# KiCad board haptic display 8x8 aisler.kicad_pcb (continued)
## Routing (per net, layer and track width the routed paths; a pad name or vN(x,y) marks a point on that pad's centre or on a via; arc(x,y) is an arc through that point) (continued)
 21.42,81.09 21.27,81.27 21.1,81.43 20.9,81.56 20.69,81.67 20.47,81.75 20.24,81.8 20,81.83 19.76,81.81 19.52,81.77 19.3,81.7 19.08,81.6 18.87,81.47 18.69,81.31 18.52,81.13 18.38,80.93 18.27,80.72 18.19,80.49 18.13,80.25 18.11,80 18.12,79.75 18.17,79.51 18.24,79.27 18.35,79.05 18.48,78.84 18.64,78.64 18.83,78.47 19.04,78.33 19.26,78.21 19.5,78.13 19.75,78.07 20,78.05 20.24,78.06 20.47,78.1 20.7,78.16 20.92,78.26 21.12,78.38 21.31,78.52 21.48,78.68 21.64,78.87 21.76,79.07 21.87,79.29 21.94,79.52 21.99,79.76 22.01,80 22,80.24 21.96,80.48 21.9,80.72 21.8,80.94 21.68,81.16 21.53,81.35 21.36,81.53 21.17,81.69 20.96,81.82 20.73,81.93 20.49,82.01 20.25,82.06 20,82.08 19.75,82.06 19.5,82.02 19.26,81.95 19.03,81.85 18.81,81.73 18.6,81.57 18.42,81.4 18.26,81.2 18.12,80.98 18.01,80.75 17.93,80.51 17.88,80.26 17.86,80 17.87,79.74 17.92,79.49 17.99,79.24 18.09,79 18.22,78.77 18.38,78.56 18.56,78.37 18.76,78.21 18.99,78.07 19.22,77.96 19.48,77.87 19.74,77.82 20,77.8 20.25,77.81 20.49,77.85 20.73,77.91 20.96,78 21.18,78.12 21.39,78.26 21.58,78.42 21.75,78.61 21.9,78.81 22.02,79.03 22.12,79.26 22.2,79.5 22.24,79.75 22.26,80 22.25,80.25 22.21,80.51 22.15,80.75 22.05,80.99 21.93,81.22 21.79,81.43 21.62,81.62 21.43,81.8 21.23,81.95 21,82.08 20.76,82.18 20.52,82.26 20.26,82.31 20,82.33 19.74,82.31 19.48,82.28 19.23,82.21 18.98,82.11 18.75,81.99 18.53,81.84 18.33,81.67 18.15,81.47 18,81.26 17.87,81.03 17.76,80.78 17.68,80.53 17.63,80.27 17.61,80 17.62,79.73 17.66,79.47 17.73,79.21 17.83,78.96 17.96,78.72 18.11,78.49 18.29,78.29 18.49,78.11 18.71,77.94 18.94,77.81 19.2,77.7 19.46,77.62 19.73,77.57 20,77.55 20.26,77.56 20.51,77.6 20.76,77.66 21,77.75 21.24,77.86 21.45,78 21.66,78.16 21.85,78.34 22.01,78.54 22.16,78.75 22.28,78.98 22.38,79.23 22.45,79.48 22.49,79.74 22.51,80 22.5,80.26 22.47,80.52 22.4,80.78 22.31,81.03 22.19,81.27 22.05,81.49 21.89,81.7 21.7,81.89 21.5,82.06 21.28,82.21 21.04,82.34 20.79,82.44 20.53,82.51 20.27,82.56 20,82.58 19.73,82.57 19.46,82.53 19.2,82.46 18.95,82.37 18.7,82.25 18.47,82.1 18.26,81.94 18.06,81.75 17.89,81.54 17.73,81.31 17.61,81.07 17.5,80.81 17.43,80.55 17.38,80.28 17.36,80 17.37,79.72 17.41,79.45 17.48,79.18 17.58,78.92 17.7,78.67 17.85,78.44 18.02,78.22 18.21,78.02 18.43,77.84 18.66,77.68 18.91,77.55 19.17,77.44 19.44,77.37 19.72,77.32 20,77.3 20.27,77.31 20.53,77.34 20.79,77.41 21.04,77.49 21.28,77.6 21.51,77.74 21.73,77.89 21.93,78.07 22.11,78.26 22.28,78.48 22.42,78.71 22.54,78.95 22.63,79.2 22.7,79.46 22.75,79.73 22.76,80 22.75,80.27 22.72,80.54 22.65,80.81 22.57,81.06 22.45,81.31 22.32,81.55 22.16,81.77 21.98,81.98 21.77,82.16 21.56,82.33 21.32,82.47 21.08,82.6 20.82,82.69 20.55,82.76 20.28,82.81 20,82.83 19.72,82.82 19.45,82.78 19.18,82.71 18.91,82.62 18.66,82.51 18.42,82.37 18.19,82.2 17.98,82.02 17.79,81.81 17.62,81.59 17.47,81.35 17.35,81.1 17.25,80.83 17.18,80.56 17.13,80.28 17.11,80 17.12,79.72 17.16,79.44 17.23,79.16 17.32,78.89 17.44,78.63 17.58,78.38 17.75,78.15 17.94,77.94 18.15,77.74 18.37,77.57 18.62,77.42 18.88,77.29 19.15,77.19 19.43,77.11 19.71,77.07 20,77.05 20.27,77.06 20.54,77.09 20.81,77.15 21.07,77.24 21.32,77.34 21.56,77.47 21.79,77.63 22.01,77.8 22.2,77.99 22.38,78.2 22.54,78.43 22.68,78.67 22.8,78.92 22.89,79.18 22.95,79.45 23,79.72 23.01,80 23,80.28 22.97,80.55 22.91,80.83 22.82,81.09 22.71,81.35 22.58,81.6 22.42,81.83 22.25,82.05 22.05,82.25 21.84,82.43 21.61,82.6 21.36,82.74 21.11,82.85 20.84,82.95 20.56,83.02 20.28,83.06 20,83.08 19.72,83.07 19.43,83.03 19.16,82.97 18.88,82.88 18.62,82.77 18.37,82.63 18.13,82.47 17.91,82.29 17.7,82.09 17.52,81.88 17.35,81.64 17.21,81.39 17.09,81.13 16.99,80.86 16.92,80.58 16.88,80.29 16.86,80 16.87,79.71 16.91,79.42 16.97,79.14 17.06,78.86 17.17,78.59 17.31,78.34 17.48,78.09 17.66,77.87 17.86,77.66 18.09,77.47 18.33,77.3 18.58,77.15 18.85,77.03 19.13,76.93 19.41,76.86 19.71,76.82 20,76.8 20.28,76.81 20.56,76.84 20.83,76.9 21.1,76.98 21.36,77.08 21.61,77.21 21.85,77.36 22.07,77.53 22.28,77.72 22.48,77.92 22.65,78.14 22.81,78.38 22.94,78.63 23.05,78.89 23.14,79.16 23.21,79.43 23.25,79.72 23.26,80 23.25,80.28 23.22,80.57 23.16,80.85 23.08,81.12 22.97,81.39 22.84,81.64 22.69,81.89 22.52,82.11 22.33,82.33 22.12,82.53 21.89,82.7 21.65,82.86 21.4,83 21.13,83.11 20.86,83.2 20.58,83.27 20.29,83.31 20,83.33 19.71,83.32 19.42,83.28 19.14,83.22 18.86,83.14 18.59,83.03 18.33,82.9 18.08,82.74 17.84,82.57 17.63,82.37 17.43,82.16 17.25,81.93 17.08,81.68 16.95,81.42 16.83,81.15 16.74,80.87 16.67,80.59 16.63,80.29 16.61,80 16.62,79.7 16.66,79.41 16.72,79.12 16.8,78.84 16.91,78.56 17.05,78.3 17.21,78.04 17.38,77.8 17.58,77.58 17.8,77.38 18.04,77.19 18.29,77.03 18.55,76.89 18.82,76.77 19.11,76.68 19.4,76.61 19.7,76.57 20,76.55 20.29,76.56 20.57,76.59 20.85,76.65 21.12,76.72 21.39,76.83 21.65,76.95 21.9,77.09 22.14,77.26 22.36,77.44 22.56,77.64 22.75,77.86 22.92,78.09 23.07,78.34 23.2,78.6 23.31,78.86 23.4,79.14 23.46,79.42 23.5,79.71 23.51,80 23.5,80.29 23.47,80.58 23.41,80.86 23.33,81.14 23.23,81.42 23.11,81.68 22.96,81.93 22.79,82.17 22.61,82.4 22.4,82.61 22.18,82.8 21.94,82.97 21.69,83.13 21.43,83.26 21.16,83.37 20.88,83.46 20.59,83.52 20.29,83.56 20,83.58 19.7,83.57 19.41,83.53 19.12,83.48 18.83,83.39 18.56,83.29 18.29,83.16 18.03,83.01 17.79,82.84 17.56,82.65 17.35,82.44 17.15,82.22 16.97,81.98 16.82,81.72 16.68,81.45 16.57,81.18 16.48,80.89 16.42,80.6 16.38,80.3 16.36,80 16.37,79.7 16.41,79.4 16.46,79.1 16.55,78.81 16.65,78.53 16.78,78.26 16.94,78 17.11,77.75 17.3,77.52 17.51,77.3 17.74,77.1 17.99,76.92 18.25,76.76 18.52,76.63 18.8,76.51 19.09,76.42 19.39,76.36 19.69,76.32 20,76.3 20.29,76.31 20.58,76.34 20.87,76.39 21.15,76.47 21.42,76.57 21.69,76.69 21.94,76.83 22.19,76.99 22.42,77.17 22.64,77.36 22.84,77.57 23.02,77.8 23.19,78.05 23.34,78.3 23.46,78.57 23.57,78.84 23.65,79.12 23.71,79.41 23.75,79.71 23.76,80 23.75,80.3 23.72,80.59 23.67,80.88 23.59,81.17 23.49,81.45 23.37,81.72 23.23,81.98 23.06,82.23 22.88,82.46 22.68,82.68 22.47,82.89 22.23,83.07 21.99,83.24 21.73,83.39 21.46,83.52 21.18,83.63 20.89,83.71 20.6,83.77 20.3,83.81 20,83.83 19.7,83.82 19.4,83.78 19.1,83.73 18.81,83.65 18.53,83.55 18.25,83.42 17.99,83.28 17.74,83.11 17.5,82.93 17.27,82.73 17.07,82.51 16.88,82.27 16.7,82.02 16.55,81.76 16.42,81.48 16.31,81.2 16.23,80.91 16.17,80.61 16.13,80.3 16.11,80 16.12,79.69 16.15,79.39 16.21,79.09 16.29,78.79 16.39,78.51 16.52,78.23 16.67,77.96 16.83,77.7 17.02,77.46 17.23,77.23 17.45,77.02 17.69,76.82 17.95,76.65 18.22,76.5 18.49,76.37 18.78,76.26 19.08,76.17 19.38,76.1 19.69,76.07 20,76.05 20.3,76.06 20.59,76.09 20.88,76.14 21.17,76.21 21.45,76.31 21.72,76.43 21.99,76.56 22.24,76.72 22.48,76.89 22.71,77.08 22.92,77.29 23.12,77.51 23.3,77.75 23.46,78 23.6,78.27 23.72,78.54 23.82,78.82 23.9,79.11 23.96,79.4 24,79.7 24.01,80 24,80.3 23.97,80.6 23.92,80.89 23.85,81.19 23.75,81.47 23.63,81.75 23.49,82.02 23.33,82.27 23.16,82.52 22.96,82.75 22.75,82.97 22.52,83.17 22.28,83.35 22.03,83.51 21.76,83.66 21.48,83.78 21.2,83.88 20.9,83.96 20.61,84.02 20.3,84.06 20,84.08 19.7,84.07 19.39,84.04 19.09,83.98 18.8,83.91 18.51,83.81 18.22,83.69 17.95,83.55 17.69,83.39 17.44,83.21 17.21,83.01 16.99,82.79 16.79,82.56 16.6,82.32 16.43,82.06 16.29,81.79 16.16,81.51 16.06,81.22 15.97,80.92 15.91,80.62 15.88,80.31 15.86,80 15.87,79.69 15.9,79.38 15.96,79.08 16.03,78.78 16.13,78.48 16.26,78.2 16.4,77.92 16.56,77.66 16.74,77.4 16.95,77.17 17.16,76.94 17.4,76.74 17.65,76.55 17.91,76.38 18.19,76.23 18.47,76.1 18.77,76 19.07,75.91 19.37,75.85 19.69,75.81 20,75.8 20.3,75.81 20.6,75.84 20.89,75.89 21.19,75.96 21.47,76.05 21.75,76.16 22.02,76.3 22.28,76.45 22.53,76.62 22.77,76.8 22.99,77.01 23.2,77.23 23.39,77.46 23.57,77.71 23.72,77.97 23.86,78.24 23.98,78.52 24.08,78.8 24.16,79.1 24.21,79.39 24.25,79.7 24.26,80 24.25,80.3 24.22,80.61 24.17,80.91 24.1,81.2 24.01,81.49 23.89,81.78 23.76,82.05 23.6,82.32 23.43,82.57 23.24,82.81 23.04,83.04 22.81,83.25 22.58,83.44 22.33,83.62 22.06,83.78 21.79,83.92 21.51,84.04 21.22,84.14 20.92,84.22 20.61,84.28 20.31,84.31 20,84.33 19.69,84.32 19.38,84.29 19.08,84.23 18.78,84.16 18.48,84.07 18.2,83.95 17.92,83.81 17.65,83.66 17.39,83.48 17.15,83.29 16.92,83.08 16.71,82.85 16.51,82.61 16.33,82.36 16.17,82.09 16.02,81.82 15.9,81.53 15.8,81.23 15.72,80.93 15.66,80.62 15.63,80.31 15.61,80 15.62,79.69 15.65,79.37 15.7,79.07 15.78,78.76 15.88,78.46 15.99,78.17 16.13,77.89 16.29,77.62 16.47,77.36 16.66,77.11 16.88,76.88 17.1,76.66 17.35,76.46 17.61,76.28 17.88,76.11 18.16,75.97 18.45,75.84 18.75,75.74 19.06,75.66 19.37,75.6 19.68,75.56 20,75.55 21.45,75.55 ; 20.41,63.98 20.36,63.96 20,63.6 20,63.55 20.21,63.56 20.41,63.6 20.61,63.67 20.8,63.76 20.97,63.88 21.12,64.03 21.25,64.19 21.36,64.38 21.44,64.58 21.49,64.79 21.51,65 21.5,65.22 21.46,65.43 21.39,65.64 21.29,65.83 21.16,66.01 21.01,66.17 20.84,66.31 20.65,66.42 20.44,66.5 20.22,66.55 20,66.58 19.78,66.56 19.55,66.52 19.34,66.45 19.14,66.34 18.95,66.21 18.78,66.05 18.64,65.87 18.53,65.67 18.44,65.46 18.38,65.23 18.36,65 18.37,64.77 18.42,64.54 18.49,64.31 18.6,64.1 18.74,63.91 18.91,63.74 19.09,63.59 19.3,63.47 19.52,63.38 19.76,63.32 20,63.3 20.22,63.31 20.44,63.35 20.66,63.41 20.86,63.51 21.05,63.63 21.22,63.78 21.38,63.94 21.51,64.13 21.61,64.33 21.69,64.55 21.74,64.77 21.76,65 21.75,65.23 21.71,65.46 21.64,65.68 21.54,65.89 21.42,66.09 21.27,66.27 21.1,66.43 20.9,66.56 20.69,66.67 20.47,66.75 20.24,66.8 20,66.83 19.76,66.81 19.52,66.77 19.3,66.7 19.08,66.6 18.87,66.47 18.69,66.31 18.52,66.13 18.38,65.93 18.27,65.72 18.19,65.49 18.13,65.25 18.11,65 18.12,64.75 18.17,64.51 18.24,64.27 18.35,64.05 18.48,63.84 18.64,63.64 18.83,63.47 19.04,63.33 19.26,63.21 19.5,63.13 19.75,63.07 20,63.05 20.24,63.06 20.47,63.1 20.7,63.16 20.92,63.26 21.12,63.38 21.31,63.52 21.48,63.68 21.64,63.87 21.76,64.07 21.87,64.29 21.94,64.52 21.99,64.76 22.01,65 22,65.24 21.96,65.48 21.9,65.72 21.8,65.94 21.68,66.16 21.53,66.35 21.36,66.53 21.17,66.69 20.96,66.82 20.73,66.93 20.49,67.01 20.25,67.06 20,67.08 19.75,67.06 19.5,67.02 19.26,66.95 19.03,66.85 18.81,66.73 18.6,66.57 18.42,66.4 18.26,66.2 18.12,65.98 18.01,65.75 17.93,65.51 17.88,65.26 17.86,65 17.87,64.74 17.92,64.49 17.99,64.24 18.09,64 18.22,63.77 18.38,63.56 18.56,63.37 18.76,63.21 18.99,63.07 19.22,62.96 19.48,62.87 19.74,62.82 20,62.8 20.25,62.81 20.49,62.85 20.73,62.91 20.96,63 21.18,63.12 21.39,63.26 21.58,63.42 21.75,63.61 21.9,63.81 22.02,64.03 22.12,64.26 22.2,64.5 22.24,64.75 22.26,65 22.25,65.25 22.21,65.51 22.15,65.75 22.05,65.99 21.93,66.22 21.79,66.43 21.62,66.62 21.43,66.8 21.23,66.95 21,67.08 20.76,67.18 20.52,67.26 20.26,67.31 20,67.33 19.74,67.31 19.48,67.28 19.23,67.21 18.98,67.11 18.75,66.99 18.53,66.84 18.33,66.67 18.15,66.47 18,66.26 17.87,66.03 17.76,65.78 17.68,65.53 17.63,65.27 17.61,65 17.62,64.73 17.66,64.47 17.73,64.21 17.83,63.96 17.96,63.72 18.11,63.49 18.29,63.29 18.49,63.11 18.71,62.94 18.94,62.81 19.2,62.7 19.46,62.62 19.73,62.57 20,62.55 20.26,62.56 20.51,62.6 20.76,62.66 21,62.75 21.24,62.86 21.45,63 21.66,63.16 21.85,63.34 22.01,63.54 22.16,63.75 22.28,63.98 22.38,64.23 22.45,64.48 22.49,64.74 22.51,65 22.5,65.26 22.47,65.52 22.4,65.78 22.31,66.03 22.19,66.27 22.05,66.49 21.89,66.7 21.7,66.89 21.5,67.06 21.28,67.21 21.04,67.34 20.79,67.44 20.53,67.51 20.27,67.56 20,67.58 19.73,67.57 19.46,67.53 19.2,67.46 18.95,67.37 18.7,67.25 18.47,67.1 18.26,66.94 18.06,66.75 17.89,66.54 17.73,66.31 17.61,66.07 17.5,65.81 17.43,65.55 17.38,65.28 17.36,65 17.37,64.72 17.41,64.45 17.48,64.18 17.58,63.92 17.7,63.67 17.85,63.44 18.02,63.22 18.21,63.02 18.43,62.84 18.66,62.68 18.91,62.55 19.17,62.44 19.44,62.37 19.72,62.32 20,62.3 20.27,62.31 20.53,62.34 20.79,62.41 21.04,62.49 21.28,62.6 21.51,62.74 21.73,62.89 21.93,63.07 22.11,63.26 22.28,63.48 22.42,63.71 22.54,63.95 22.63,64.2 22.7,64.46 22.75,64.73 22.76,65 22.75,65.27 22.72,65.54 22.65,65.81 22.57,66.06 22.45,66.31 22.32,66.55 22.16,66.77 21.98,66.98 21.77,67.16 21.56,67.33 21.32,67.47 21.08,67.6 20.82,67.69 20.55,67.76 20.28,67.81 20,67.83 19.72,67.82 19.45,67.78 19.18,67.71 18.91,67.62 18.66,67.51 18.42,67.37 18.19,67.2 17.98,67.02 17.79,66.81 17.62,66.59 17.47,66.35 17.35,66.1 17.25,65.83 17.18,65.56 17.13,65.28 17.11,65 17.12,64.72 17.16,64.44 17.23,64.16 17.32,63.89 17.44,63.63 17.58,63.38 17.75,63.15 17.94,62.94 18.15,62.74 18.37,62.57 18.62,62.42 18.88,62.29 19.15,62.19 19.43,62.11 19.71,62.07 20,62.05 20.27,62.06 20.54,62.09 20.81,62.15 21.07,62.24 21.32,62.34 21.56,62.47 21.79,62.63 22.01,62.8 22.2,62.99 22.38,63.2 22.54,63.43 22.68,63.67 22.8,63.92 22.89,64.18 22.95,64.45 23,64.72 23.01,65 23,65.28 22.97,65.55 22.91,65.83 22.82,66.09 22.71,66.35 22.58,66.6 22.42,66.83 22.25,67.05 22.05,67.25 21.84,67.43 21.61,67.6 21.36,67.74 21.11,67.85 20.84,67.95 20.56,68.02 20.28,68.06 20,68.08 19.72,68.07 19.43,68.03 19.16,67.97 18.88,67.88 18.62,67.77 18.37,67.63 18.13,67.47 17.91,67.29 17.7,67.09 17.52,66.88 17.35,66.64 17.21,66.39 17.09,66.13 16.99,65.86 16.92,65.58 16.88,65.29 16.86,65 16.87,64.71 16.91,64.42 16.97,64.14 17.06,63.86 17.17,63.59 17.31,63.34 17.48,63.09 17.66,62.87 17.86,62.66 18.09,62.47 18.33,62.3 18.58,62.15 18.85,62.03 19.13,61.93 19.41,61.86 19.71,61.82 20,61.8 20.28,61.81 20.56,61.84 20.83,61.9 21.1,61.98 21.36,62.08 21.61,62.21 21.85,62.36 22.07,62.53 22.28,62.72 22.48,62.92 22.65,63.14 22.81,63.38 22.94,63.63 23.05,63.89 23.14,64.16 23.21,64.43 23.25,64.72 23.26,65 23.25,65.28 23.22,65.57 23.16,65.85 23.08,66.12 22.97,66.39 22.84,66.64 22.69,66.89 22.52,67.11 22.33,67.33 22.12,67.53 21.89,67.7 21.65,67.86 21.4,68 21.13,68.11 20.86,68.2 20.58,68.27 20.29,68.31 20,68.33 19.71,68.32 19.42,68.28 19.14,68.22 18.86,68.14 18.59,68.03 18.33,67.9 18.08,67.74 17.84,67.57 17.63,67.37 17.43,67.16 17.25,66.93 17.08,66.68 16.95,66.42 16.83,66.15 16.74,65.87 16.67,65.59 16.63,65.29 16.61,65 16.62,64.7 16.66,64.41 16.72,64.12 16.8,63.84 16.91,63.56 17.05,63.3 17.21,63.04 17.38,62.8 17.58,62.58 17.8,62.38 18.04,62.19 18.29,62.03 18.55,61.89 18.82,61.77 19.11,61.68 19.4,61.61 19.7,61.57 20,61.55 20.29,61.56 20.57,61.59 20.85,61.65 21.12,61.72 21.39,61.83 21.65,61.95 21.9,62.09 22.14,62.26 22.36,62.44 22.56,62.64 22.75,62.86 22.92,63.09 23.07,63.34 23.2,63.6 23.31,63.86 23.4,64.14 23.46,64.42 23.5,64.71 23.51,65 23.5,65.29 23.47,65.58 23.41,65.86 23.33,66.14 23.23,66.42 23.11,66.68 22.96,66.93 22.79,67.17 22.61,67.4 22.4,67.61 22.18,67.8 21.94,67.97 21.69,68.13 21.43,68.26 21.16,68.37 20.88,68.46 20.59,68.52 20.29,68.56 20,68.58 19.7,68.57 19.41,68.53 19.12,68.48 18.83,68.39 18.56,68.29 18.29,68.16 18.03,68.01 17.79,67.84 17.56,67.65 17.35,67.44 17.15,67.22 16.97,66.98 16.82,66.72 16.68,66.45 16.57,66.18 16.48,65.89 16.42,65.6 16.38,65.3 16.36,65 16.37,64.7 16.41,64.4 16.46,64.1 16.55,63.81 16.65,63.53 16.78,63.26 16.94,63 17.11,62.75 17.3,62.52 17.51,62.3 17.74,62.1 17.99,61.92 18.25,61.76 18.52,61.63 18.8,61.51 19.09,61.42 19.39,61.36 19.69,61.32 20,61.3 20.29,61.31 20.58,61.34 20.87,61.39 21.15,61.47 21.42,61.57 21.69,61.69 21.94,61.83 22.19,61.99 22.42,62.17 22.64,62.36 22.84,62.57 23.02,62.8 23.19,63.05 23.34,63.3 23.46,63.57 23.57,63.84 23.65,64.12 23.71,64.41 23.75,64.71 23.76,65 23.75,65.3 23.72,65.59 23.67,65.88 23.59,66.17 23.49,66.45 23.37,66.72 23.23,66.98 23.06,67.23 22.88,67.46 22.68,67.68 22.47,67.89 22.23,68.07 21.99,68.24 21.73,68.39 21.46,68.52 21.18,68.63 20.89,68.71 20.6,68.77 20.3,68.81 20,68.83 19.7,68.82 19.4,68.78 19.1,68.73 18.81,68.65 18.53,68.55 18.25,68.42 17.99,68.28 17.74,68.11 17.5,67.93 17.27,67.73 17.07,67.51 16.88,67.27 16.7,67.02 16.55,66.76 16.42,66.48 16.31,66.2 16.23,65.91 16.17,65.61 16.13,65.3 16.11,65 16.12,64.69 16.15,64.39 16.21,64.09 16.29,63.79 16.39,63.51 16.52,63.23 16.67,62.96 16.83,62.7 17.02,62.46 17.23,62.23 17.45,62.02 17.69,61.82 17.95,61.65 18.22,61.5 18.49,61.37 18.78,61.26 19.08,61.17 19.38,61.1 19.69,61.07 20,61.05 20.3,61.06 20.59,61.09 20.88,61.14 21.17,61.21 21.45,61.31 21.72,61.43 21.99,61.56 22.24,61.72 22.48,61.89 22.71,62.08 22.92,62.29 23.12,62.51 23.3,62.75 23.46,63 23.6,63.27 23.72,63.54 23.82,63.82 23.9,64.11 23.96,64.4 24,64.7 24.01,65 24,65.3 23.97,65.6 23.92,65.89 23.85,66.19 23.75,66.47 23.63,66.75 23.49,67.02 23.33,67.27 23.16,67.52 22.96,67.75 22.75,67.97 22.52,68.17 22.28,68.35 22.03,68.51 21.76,68.66 21.48,68.78 21.2,68.88 20.9,68.96 20.61,69.02 20.3,69.06 20,69.08 19.7,69.07 19.39,69.04 19.09,68.98 18.8,68.91 18.51,68.81 18.22,68.69 17.95,68.55 17.69,68.39 17.44,68.21 17.21,68.01 16.99,67.79 16.79,67.56 16.6,67.32 16.43,67.06 16.29,66.79 16.16,66.51 16.06,66.22 15.97,65.92 15.91,65.62 15.88,65.31 15.86,65 15.87,64.69 15.9,64.38 15.96,64.08 16.03,63.78 16.13,63.48 16.26,63.2 16.4,62.92 16.56,62.66 16.74,62.4 16.95,62.17 17.16,61.94 17.4,61.74 17.65,61.55 17.91,61.38 18.19,61.23 18.47,61.1 18.77,61 19.07,60.91 19.37,60.85 19.69,60.81 20,60.8 20.3,60.81 20.6,60.84 20.89,60.89 21.19,60.96 21.47,61.05 21.75,61.16 22.02,61.3 22.28,61.45 22.53,61.62 22.77,61.8 22.99,62.01 23.2,62.23 23.39,62.46 23.57,62.71 23.72,62.97 23.86,63.24 23.98,63.52 24.08,63.8 24.16,64.1 24.21,64.39 24.25,64.7 24.26,65 24.25,65.3 24.22,65.61 24.17,65.91 24.1,66.2 24.01,66.49 23.89,66.78 23.76,67.05 23.6,67.32 23.43,67.57 23.24,67.81 23.04,68.04 22.81,68.25 22.58,68.44 22.33,68.62 22.06,68.78 21.79,68.92 21.51,69.04 21.22,69.14 20.92,69.22 20.61,69.28 20.31,69.31 20,69.33 19.69,69.32 19.38,69.29 19.08,69.23 18.78,69.16 18.48,69.07 18.2,68.95 17.92,68.81 17.65,68.66 17.39,68.48 17.15,68.29 16.92,68.08 16.71,67.85 16.51,67.61 16.33,67.36 16.17,67.09 16.02,66.82 15.9,66.53 15.8,66.23 15.72,65.93 15.66,65.62 15.63,65.31 15.61,65 15.62,64.69 15.65,64.37 15.7,64.07 15.78,63.76 15.88,63.46 15.99,63.17 16.13,62.89 16.29,62.62 16.47,62.36 16.66,62.11 16.88,61.88 17.1,61.66 17.35,61.46 17.61,61.28 17.88,61.11 18.16,60.97 18.45,60.84 18.75,60.74 19.06,60.66 19.37,60.6 19.68,60.56 20,60.55 21.45,60.55 ; 20.41,48.98 20.36,48.96 20,48.6 20,48.55 20.21,48.56 20.41,48.6 20.61,48.67 20.8,48.76 20.97,48.88 21.12,49.03 21.25,49.19 21.36,49.38 21.44,49.58 21.49,49.79 21.51,50 21.5,50.22 21.46,50.43 21.39,50.64 21.29,50.83 21.16,51.01 21.01,51.17 20.84,51.31 20.65,51.42 20.44,51.5 20.22,51.55 20,51.58 19.78,51.56 19.55,51.52 19.34,51.45 19.14,51.34 18.95,51.21 18.78,51.05 18.64,50.87 18.53,50.67 18.44,50.46 18.38,50.23 18.36,50 18.37,49.77 18.42,49.54 18.49,49.31 18.6,49.1 18.74,48.91 18.91,48.74 19.09,48.59 19.3,48.47 19.52,48.38 19.76,48.32 20,48.3 20.22,48.31 20.44,48.35 20.66,48.41 20.86,48.51 21.05,48.63 21.22,48.78 21.38,48.94 21.51,49.13 21.61,49.33 21.69,49.55 21.74,49.77 21.76,50 21.75,50.23 21.71,50.46 21.64,50.68 21.54,50.89 21.42,51.09 21.27,51.27 21.1,51.43 20.9,51.56 20.69,51.67 20.47,51.75 20.24,51.8 20,51.83 19.76,51.81 19.52,51.77 19.3,51.7 19.08,51.6 18.87,51.47 18.69,51.31 18.52,51.13 18.38,50.93 18.27,50.72 18.19,50.49 18.13,50.25 18.11,50 18.12,49.75 18.17,49.51 18.24,49.27 18.35,49.05 18.48,48.84 18.64,48.64 18.83,48.47 19.04,48.33 19.26,48.21 19.5,48.13 19.75,48.07 20,48.05 20.24,48.06 20.47,48.1 20.7,48.16 20.92,48.26 21.12,48.38 21.31,48.52 21.48,48.68 21.64,48.87 21.76,49.07 21.87,49.29 21.94,49.52 21.99,49.76 22.01,50 22,50.24 21.96,50.48 21.9,50.72 21.8,50.94 21.68,51.16 21.53,51.35 21.36,51.53 21.17,51.69 20.96,51.82 20.73,51.93 20.49,52.01 20.25,52.06 20,52.08 19.75,52.06 19.5,52.02 19.26,51.95 19.03,51.85 18.81,51.73 18.6,51.57 18.42,51.4 18.26,51.2 18.12,50.98 18.01,50.75 17.93,50.51 17.88,50.26 17.86,50 17.87,49.74 17.92,49.49 17.99,49.24 18.09,49 18.22,48.77 18.38,48.56 18.56,48.37 18.76,48.21 18.99,48.07 19.22,47.96 19.48,47.87 19.74,47.82 20,47.8 20.25,47.81 20.49,47.85 20.73,47.91 20.96,48 21.18,48.12 21.39,48.26 21.58,48.42 21.75,48.61 21.9,48.81 22.02,49.03 22.12,49.26 22.2,49.5 22.24,49.75 22.26,50 22.25,50.25 22.21,50.51 22.15,50.75 22.05,50.99 21.93,51.22 21.79,51.43 21.62,51.62 21.43,51.8 21.23,51.95 21,52.08 20.76,52.18 20.52,52.26 20.26,52.31 20,52.33 19.74,52.31 19.48,52.28 19.23,52.21 18.98,52.11 18.75,51.99 18.53,51.84 18.33,51.67 18.15,51.47 18,51.26 17.87,51.03 17.76,50.78 17.68,50.53 17.63,50.27 17.61,50 17.62,49.73 17.66,49.47 17.73,49.21 17.83,48.96 17.96,48.72 18.11,48.49 18.29,48.29 18.49,48.11 18.71,47.94 18.94,47.81 19.2,47.7 19.46,47.62 19.73,47.57 20,47.55 20.26,47.56 20.51,47.6 20.76,47.66 21,47.75 21.24,47.86 21.45,48 21.66,48.16 21.85,48.34 22.01,48.54 22.16,48.75 22.28,48.98 22.38,49.23 22.45,49.48 22.49,49.74 22.51,50 22.5,50.26 22.47,50.52 22.4,50.78 22.31,51.03 22.19,51.27 22.05,51.49 21.89,51.7 21.7,51.89 21.5,52.06 21.28,52.21 21.04,52.34 20.79,52.44 20.53,52.51 20.27,52.56 20,52.58 19.73,52.57 19.46,52.53 19.2,52.46 18.95,52.37 18.7,52.25 18.47,52.1 18.26,51.94 18.06,51.75 17.89,51.54 17.73,51.31 17.61,51.07 17.5,50.81 17.43,50.55 17.38,50.28 17.36,50 17.37,49.72 17.41,49.45 17.48,49.18 17.58,48.92 17.7,48.67 17.85,48.44 18.02,48.22 18.21,48.02 18.43,47.84 18.66,47.68 18.91,47.55 19.17,47.44 19.44,47.37 19.72,47.32 20,47.3 20.27,47.31 20.53,47.34 20.79,47.41 21.04,47.49 21.28,47.6 21.51,47.74 21.73,47.89 21.93,48.07 22.11,48.26 22.28,48.48 22.42,48.71 22.54,48.95 22.63,49.2 22.7,49.46 22.75,49.73 22.76,50 22.75,50.27 22.72,50.54 22.65,50.81 22.57,51.06 22.45,51.31 22.32,51.55 22.16,51.77 21.98,51.98 21.77,52.16 21.56,52.33 21.32,52.47 21.08,52.6 20.82,52.69 20.55,52.76 20.28,52.81 20,52.83 19.72,52.82 19.45,52.78 19.18,52.71 18.91,52.62 18.66,52.51 18.42,52.37 18.19,52.2 17.98,52.02 17.79,51.81 17.62,51.59 17.47,51.35 17.35,51.1 17.25,50.83 17.18,50.56 17.13,50.28 17.11,50 17.12,49.72 17.16,49.44 17.23,49.16 17.32,48.89 17.44,48.63 17.58,48.38 17.75,48.15 17.94,47.94 18.15,47.74 18.37,47.57 18.62,47.42 18.88,47.29 19.15,47.19 19.43,47.11 19.71,47.07 20,47.05 20.27,47.06 20.54,47.09 20.81,47.15 21.07,47.24 21.32,47.34 21.56,47.47 21.79,47.63 22.01,47.8 22.2,47.99 22.38,48.2 22.54,48.43 22.68,48.67 22.8,48.92 22.89,49.18 22.95,49.45 23,49.72 23.01,50 23,50.28 22.97,50.55 22.91,50.83 22.82,51.09 22.71,51.35 22.58,51.6 22.42,51.83 22.25,52.05 22.05,52.25 21.84,52.43 21.61,52.6 21.36,52.74 21.11,52.85 20.84,52.95 20.56,53.02 20.28,53.06 20,53.08 19.72,53.07 19.43,53.03 19.16,52.97 18.88,52.88 18.62,52.77 18.37,52.63 18.13,52.47 17.91,52.29 17.7,52.09 17.52,51.88 17.35,51.64 17.21,51.39 17.09,51.13 16.99,50.86 16.92,50.58 16.88,50.29 16.86,50 16.87,49.71 16.91,49.42 16.97,49.14 17.06,48.86 17.17,48.59 17.31,48.34 17.48,48.09 17.66,47.87 17.86,47.66 18.09,47.47 18.33,47.3 18.58,47.15 18.85,47.03 19.13,46.93 19.41,46.86 19.71,46.82 20,46.8 20.28,46.81 20.56,46.84 20.83,46.9 21.1,46.98 21.36,47.08 21.61,47.21 21.85,47.36 22.07,47.53 22.28,47.72 22.48,47.92 22.65,48.14 22.81,48.38 22.94,48.63 23.05,48.89 23.14,49.16 23.21,49.43 23.25,49.72 23.26,50 23.25,50.28 23.22,50.57 23.16,50.85 23.08,51.12 22.97,51.39 22.84,51.64 22.69,51.89 22.52,52.11 22.33,52.33 22.12,52.53 21.89,52.7 21.65,52.86 21.4,53 21.13,53.11 20.86,53.2 20.58,53.27 20.29,53.31 20,53.33 19.71,53.32 19.42,53.28 19.14,53.22 18.86,53.14 18.59,53.03 18.33,52.9 18.08,52.74 17.84,52.57 17.63,52.37 17.43,52.16 17.25,51.93 17.08,51.68 16.95,51.42 16.83,51.15 16.74,50.87 16.67,50.59 16.63,50.29 16.61,50 16.62,49.7 16.66,49.41 16.72,49.12 16.8,48.84 16.91,48.56 17.05,48.3 17.21,48.04 17.38,47.8 17.58,47.58 17.8,47.38 18.04,47.19 18.29,47.03 18.55,46.89 18.82,46.77 19.11,46.68 19.4,46.61 19.7,46.57 20,46.55 20.29,46.56 20.57,46.59 20.85,46.65 21.12,46.72 21.39,46.83 21.65,46.95 21.9,47.09 22.14,47.26 22.36,47.44 22.56,47.64 22.75,47.86 22.92,48.09 23.07,48.34 23.2,48.6 23.31,48.86 23.4,49.14 23.46,49.42 23.5,49.71 23.51,50 23.5,50.29 23.47,50.58 23.41,50.86 23.33,51.14 23.23,51.42 23.11,51.68 22.96,51.93 22.79,52.17 22.61,52.4 22.4,52.61 22.18,52.8 21.94,52.97 21.69,53.13 21.43,53.26 21.16,53.37 20.88,53.46 20.59,53.52 20.29,53.56 20,53.58 19.7,53.57 19.41,53.53 19.12,53.48 18.83,53.39 18.56,53.29 18.29,53.16 18.03,53.01 17.79,52.84 17.56,52.65 17.35,52.44 17.15,52.22 16.97,51.98 16.82,51.72 16.68,51.45 16.57,51.18 16.48,50.89 16.42,50.6 16.38,50.3 16.36,50 16.37,49.7 16.41,49.4 16.46,49.1 16.55,48.81 16.65,48.53 16.78,48.26 16.94,48 17.11,47.75 17.3,47.52 17.51,47.3 17.74,47.1 17.99,46.92 18.25,46.76 18.52,46.63 18.8,46.51 19.09,46.42 19.39,46.36 19.69,46.32 20,46.3 20.29,46.31 20.58,46.34 20.87,46.39 21.15,46.47 21.42,46.57 21.69,46.69 21.94,46.83 22.19,46.99 22.42,47.17 22.64,47.36 22.84,47.57 23.02,47.8 23.19,48.05 23.34,48.3 23.46,48.57 23.57,48.84 23.65,49.12 23.71,49.41 23.75,49.71 23.76,50 23.75,50.3 23.72,50.59 23.67,50.88 23.59,51.17 23.49,51.45 23.37,51.72 23.23,51.98 23.06,52.23 22.88,52.46 22.68,52.68 22.47,52.89 22.23,53.07 21.99,53.24 21.73,53.39 21.46,53.52 21.18,53.63 20.89,53.71 20.6,53.77 20.3,53.81 20,53.83 19.7,53.82 19.4,53.78 19.1,53.73 18.81,53.65 18.53,53.55 18.25,53.42 17.99,53.28 17.74,53.11 17.5,52.93 17.27,52.73 17.07,52.51 16.88,52.27 16.7,52.02 16.55,51.76 16.42,51.48 16.31,51.2 16.23,50.91 16.17,50.61 16.13,50.3 16.11,50 16.12,49.69 16.15,49.39 16.21,49.09 16.29,48.79 16.39,48.51 16.52,48.23 16.67,47.96 16.83,47.7 17.02,47.46 17.23,47.23 17.45,47.02 17.69,46.82 17.95,46.65 18.22,46.5 18.49,46.37 18.78,46.26 19.08,46.17 19.38,46.1 19.69,46.07 20,46.05 20.3,46.06 20.59,46.09 20.88,46.14 21.17,46.21 21.45,46.31 21.72,46.43 21.99,46.56 22.24,46.72 22.48,46.89 22.71,47.08 22.92,47.29 23.12,47.51 23.3,47.75 23.46,48 23.6,48.27 23.72,48.54 23.82,48.82 23.9,49.11 23.96,49.4 24,49.7 24.01,50 24,50.3 23.97,50.6 23.92,50.89 23.85,51.19 23.75,51.47 23.63,51.75 23.49,52.02 23.33,52.27 23.16,52.52 22.96,52.75 22.75,52.97 22.52,53.17 22.28,53.35 22.03,53.51 21.76,53.66 21.48,53.78 21.2,53.88 20.9,53.96 20.61,54.02 20.3,54.06 20,54.08 19.7,54.07 19.39,54.04 19.09,53.98 18.8,53.91 18.51,53.81 18.22,53.69 17.95,53.55 17.69,53.39 17.44,53.21 17.21,53.01 16.99,52.79 16.79,52.56 16.6,52.32 16.43,52.06 16.29,51.79 16.16,51.51 16.06,51.22 15.97,50.92 15.91,50.62 15.88,50.31 15.86,50 15.87,49.69 15.9,49.38 15.96,49.08 16.03,48.78 16.13,48.48 16.26,48.2 16.4,47.92 16.56,47.66 16.74,47.4 16.95,47.17 17.16,46.94 17.4,46.74 17.65,46.55 17.91,46.38 18.19,46.23 18.47,46.1 18.77,46 19.07,45.91 19.37,45.85 19.69,45.81 20,45.8 20.3,45.81 20.6,45.84 20.89,45.89 21.19,45.96 21.47,46.05 21.75,46.16 22.02,46.3 22.28,46.45 22.53,46.62 22.77,46.8 22.99,47.01 23.2,47.23 23.39,47.46 23.57,47.71 23.72,47.97 23.86,48.24 23.98,48.52 24.08,48.8 24.16,49.1 24.21,49.39 24.25,49.7 24.26,50 24.25,50.3 24.22,50.61 24.17,50.91 24.1,51.2 24.01,51.49 23.89,51.78 23.76,52.05 23.6,52.32 23.43,52.57 23.24,52.81 23.04,53.04 22.81,53.25 22.58,53.44 22.33,53.62 22.06,53.78 21.79,53.92 21.51,54.04 21.22,54.14 20.92,54.22 20.61,54.28 20.31,54.31 20,54.33 19.69,54.32 19.38,54.29 19.08,54.23 18.78,54.16 18.48,54.07 18.2,53.95 17.92,53.81 17.65,53.66 17.39,53.48 17.15,53.29 16.92,53.08 16.71,52.85 16.51,52.61 16.33,52.36 16.17,52.09 16.02,51.82 15.9,51.53 15.8,51.23 15.72,50.93 15.66,50.62 15.63,50.31 15.61,50 15.62,49.69 15.65,49.37 15.7,49.07 15.78,48.76 15.88,48.46 15.99,48.17 16.13,47.89 16.29,47.62 16.47,47.36 16.66,47.11 16.88,46.88 17.1,46.66 17.35,46.46 17.61,46.28 17.88,46.11 18.16,45.97 18.45,45.84 18.75,45.74 19.06,45.66 19.37,45.6 19.68,45.56 20,45.55 21.45,45.55 ; 20.41,33.98 20.36,33.96 20,33.6 20,33.55 20.21,33.56 20.41,33.6 20.61,33.67 20.8,33.76 20.97,33.88 21.12,34.03 21.25,34.19 21.36,34.38 21.44,34.58 21.49,34.79 21.51,35 21.5,35.22 21.46,35.43 21.39,35.64 21.29,35.83 21.16,36.01 21.01,36.17 20.84,36.31 20.65,36.42 20.44,36.5 20.22,36.55 20,36.57 19.78,36.56 19.55,36.52 19.34,36.45 19.14,36.34 18.95,36.21 18.78,36.05 18.64,35.87 18.53,35.67 18.44,35.46 18.38,35.23 18.36,35 18.37,34.77 18.42,34.54 18.49,34.31 18.6,34.1 18.74,33.91 18.91,33.74 19.09,33.59 19.3,33.47 19.52,33.38 19.76,33.32 20,33.3 20.22,33.31 20.44,33.35 20.66,33.41 20.86,33.51 21.05,33.63 21.22,33.78 21.38,33.94 21.51,34.13 21.61,34.33 21.69,34.55 21.74,34.77 21.76,35 21.75,35.23 21.71,35.46 21.64,35.68 21.54,35.89 21.42,36.09 21.27,36.27 21.1,36.43 20.9,36.56 20.69,36.67 20.47,36.75 20.24,36.8 20,36.82 19.76,36.81 19.52,36.77 19.3,36.7 19.08,36.6 18.87,36.47 18.69,36.31 18.52,36.13 18.38,35.93 18.27,35.72 18.19,35.49 18.13,35.25 18.11,35 18.12,34.75 18.17,34.51 18.24,34.27 18.35,34.05 18.48,33.84 18.64,33.64 18.83,33.47 19.04,33.33 19.26,33.21 19.5,33.13 19.75,33.07 20,33.05 20.24,33.06 20.47,33.1 20.7,33.16 20.92,33.26 21.12,33.38 21.31,33.52 21.48,33.68 21.64,33.87 21.76,34.07 21.87,34.29 21.94,34.52 21.99,34.76 22.01,35 22,35.24 21.96,35.48 21.9,35.72 21.8,35.94 21.68,36.16 21.53,36.35 21.36,36.53 21.17,36.69 20.96,36.82 20.73,36.93 20.49,37.01 20.25,37.06 20,37.07 19.75,37.06 19.5,37.02 19.26,36.95 19.03,36.85 18.81,36.73 18.6,36.57 18.42,36.4 18.26,36.2 18.12,35.98 18.01,35.75 17.93,35.51 17.88,35.26 17.86,35 17.87,34.74 17.92,34.49 17.99,34.24 18.09,34 18.22,33.77 18.38,33.56 18.56,33.37 18.76,33.21 18.99,33.07 19.22,32.96 19.48,32.87 19.74,32.82 20,32.8 20.25,32.81 20.49,32.85 20.73,32.91 20.96,33 21.18,33.12 21.39,33.26 21.58,33.42 21.75,33.61 21.9,33.81 22.02,34.03 22.12,34.26 22.2,34.5 22.24,34.75 22.26,35 22.25,35.25 22.21,35.51 22.15,35.75 22.05,35.99 21.93,36.22 21.79,36.43 21.62,36.62 21.43,36.8 21.23,36.95 21,37.08 20.76,37.18 20.52,37.26 20.26,37.31 20,37.32 19.74,37.31 19.48,37.28 19.23,37.21 18.98,37.11 18.75,36.99 18.53,36.84 18.33,36.67 18.15,36.47 18,36.26 17.87,36.03 17.76,35.78 17.68,35.53 17.63,35.27 17.61,35 17.62,34.73 17.66,34.47 17.73,34.21 17.83,33.96 17.96,33.72 18.11,33.49 18.29,33.29 18.49,33.11 18.71,32.94 18.94,32.81 19.2,32.7 19.46,32.62 19.73,32.57 20,32.55 20.26,32.56 20.51,32.6 20.76,32.66 21,32.75 21.24,32.86 21.45,33 21.66,33.16 21.85,33.34 22.01,33.54 22.16,33.75 22.28,33.98 22.38,34.23 22.45,34.48 22.49,34.74 22.51,35 22.5,35.26 22.47,35.52 22.4,35.78 22.31,36.03 22.19,36.27 22.05,36.49 21.89,36.7 21.7,36.89 21.5,37.06 21.28,37.21 21.04,37.34 20.79,37.44 20.53,37.51 20.27,37.56 20,37.57 19.73,37.57 19.46,37.53 19.2,37.46 18.95,37.37 18.7,37.25 18.47,37.1 18.26,36.94 18.06,36.75 17.89,36.54 17.73,36.31 17.61,36.07 17.5,35.81 17.43,35.55 17.38,35.28 17.36,35 17.37,34.72 17.41,34.45 17.48,34.18 17.58,33.92 17.7,33.67 17.85,33.44 18.02,33.22 18.21,33.02 18.43,32.84 18.66,32.68 18.91,32.55 19.17,32.44 19.44,32.37 19.72,32.32 20,32.3 20.27,32.31 20.53,32.34 20.79,32.41 21.04,32.49 21.28,32.6 21.51,32.74 21.73,32.89 21.93,33.07 22.11,33.26 22.28,33.48 22.42,33.71 22.54,33.95 22.63,34.2 22.7,34.46 22.75,34.73 22.76,35 22.75,35.27 22.72,35.54 22.65,35.81 22.57,36.06 22.45,36.31 22.32,36.55 22.16,36.77 21.98,36.98 21.77,37.16 21.56,37.33 21.32,37.47 21.08,37.6 20.82,37.69 20.55,37.76 20.28,37.81 20,37.82 19.72,37.82 19.45,37.78 19.18,37.71 18.91,37.62 18.66,37.51 18.42,37.37 18.19,37.2 17.98,37.02 17.79,36.81 17.62,36.59 17.47,36.35 17.35,36.1 17.25,35.83 17.18,35.56 17.13,35.28 17.11,35 17.12,34.72 17.16,34.44 17.23,34.16 17.32,33.89 17.44,33.63 17.58,33.38 17.75,33.15 17.94,32.94 18.15,32.74 18.37,32.57 18.62,32.42 18.88,32.29 19.15,32.19 19.43,32.11 19.71,32.07 20,32.05 20.27,32.06 20.54,32.09 20.81,32.15 21.07,32.24 21.32,32.34 21.56,32.47 21.79,32.63 22.01,32.8 22.2,32.99 22.38,33.2 22.54,33.43 22.68,33.67 22.8,33.92 22.89,34.18 22.95,34.45 23,34.72 23.01,35 23,35.28 22.97,35.55 22.91,35.83 22.82,36.09 22.71,36.35 22.58,36.6 22.42,36.83 22.25,37.05 22.05,37.25 21.84,37.43 21.61,37.6 21.36,37.74 21.11,37.85 20.84,37.95 20.56,38.02 20.28,38.06 20,38.07 19.72,38.07 19.43,38.03 19.16,37.97 18.88,37.88 18.62,37.77 18.37,37.63 18.13,37.47 17.91,37.29 17.7,37.09 17.52,36.88 17.35,36.64 17.21,36.39 17.09,36.13 16.99,35.86 16.92,35.58 16.88,35.29 16.86,35 16.87,34.71 16.91,34.42 16.97,34.14 17.06,33.86 17.17,33.59 17.31,33.34 17.48,33.09 17.66,32.87 17.86,32.66 18.09,32.47 18.33,32.3 18.58,32.15 18.85,32.03 19.13,31.93 19.41,31.86 19.71,31.82 20,31.8 20.28,31.81 20.56,31.84 20.83,31.9 21.1,31.98 21.36,32.08 21.61,32.21 21.85,32.36 22.07,32.53 22.28,32.72 22.48,32.92 22.65,33.14 22.81,33.38 22.94,33.63 23.05,33.89 23.14,34.16 23.21,34.43 23.25,34.72 23.26,35 23.25,35.28 23.22,35.57 23.16,35.85 23.08,36.12 22.97,36.39 22.84,36.64 22.69,36.89 22.52,37.11 22.33,37.33 22.12,37.53 21.89,37.7 21.65,37.86 21.4,38 21.13,38.11 20.86,38.2 20.58,38.27 20.29,38.31 20,38.32 19.71,38.32 19.42,38.28 19.14,38.22 18.86,38.14 18.59,38.03 18.33,37.9 18.08,37.74 17.84,37.57 17.63,37.37 17.43,37.16 17.25,36.93 17.08,36.68 16.95,36.42 16.83,36.15 16.74,35.87 16.67,35.59 16.63,35.29 16.61,35 16.62,34.7 16.66,34.41 16.72,34.12 16.8,33.84 16.91,33.56 17.05,33.3 17.21,33.04 17.38,32.8 17.58,32.58 17.8,32.38 18.04,32.19 18.29,32.03 18.55,31.89 18.82,31.77 19.11,31.68 19.4,31.61 19.7,31.57 20,31.55 20.29,31.56 20.57,31.59 20.85,31.65 21.12,31.72 21.39,31.83 21.65,31.95 21.9,32.09 22.14,32.26 22.36,32.44 22.56,32.64 22.75,32.86 22.92,33.09 23.07,33.34 23.2,33.6 23.31,33.86 23.4,34.14 23.46,34.42 23.5,34.71 23.51,35 23.5,35.29 23.47,35.58 23.41,35.86 23.33,36.14 23.23,36.42 23.11,36.68 22.96,36.93 22.79,37.17 22.61,37.4 22.4,37.61 22.18,37.8 21.94,37.97 21.69,38.13 21.43,38.26 21.16,38.37 20.88,38.46 20.59,38.52 20.29,38.56 20,38.57 19.7,38.57 19.41,38.53 19.12,38.48 18.83,38.39 18.56,38.29 18.29,38.16 18.03,38.01 17.79,37.84 17.56,37.65 17.35,37.44 17.15,37.22 16.97,36.98 16.82,36.72 16.68,36.45 16.57,36.18 16.48,35.89 16.42,35.6 16.38,35.3 16.36,35 16.37,34.7 16.41,34.4 16.46,34.1 16.55,33.81 16.65,33.53 16.78,33.26 16.94,33 17.11,32.75 17.3,32.52 17.51,32.3 17.74,32.1 17.99,31.92 18.25,31.76 18.52,31.63 18.8,31.51 19.09,31.42 19.39,31.36 19.69,31.32 20,31.3 20.29,31.31 20.58,31.34 20.87,31.39 21.15,31.47 21.42,31.57 21.69,31.69 21.94,31.83 22.19,31.99 22.42,32.17 22.64,32.36 22.84,32.57 23.02,32.8 23.19,33.05 23.34,33.3 23.46,33.57 23.57,33.84 23.65,34.12 23.71,34.41 23.75,34.71 23.76,35 23.75,35.3 23.72,35.59 23.67,35.88 23.59,36.17 23.49,36.45 23.37,36.72 23.23,36.98 23.06,37.23 22.88,37.46 22.68,37.68 22.47,37.89 22.23,38.07 21.99,38.24 21.73,38.39 21.46,38.52 21.18,38.63 20.89,38.71 20.6,38.77 20.3,38.81 20,38.82 19.7,38.82 19.4,38.78 19.1,38.73 18.81,38.65 18.53,38.55 18.25,38.42 17.99,38.28 17.74,38.11 17.5,37.93 17.27,37.73 17.07,37.51 16.88,37.27 16.7,37.02 16.55,36.76 16.42,36.48 16.31,36.2 16.23,35.91 16.17,35.61 16.13,35.3 16.11,35 16.12,34.69 16.15,34.39 16.21,34.09 16.29,33.79 16.39,33.51 16.52,33.23 16.67,32.96 16.83,32.7 17.02,32.46 17.23,32.23 17.45,32.02 17.69,31.82 17.95,31.65 18.22,31.5 18.49,31.37 18.78,31.26 19.08,31.17 19.38,31.1 19.69,31.07 20,31.05 20.3,31.06 20.59,31.09 20.88,31.14 21.17,31.21 21.45,31.31 21.72,31.43 21.99,31.56 22.24,31.72 22.48,31.89 22.71,32.08 22.92,32.29 23.12,32.51 23.3,32.75 23.46,33 23.6,33.27 23.72,33.54 23.82,33.82 23.9,34.11 23.96,34.4 24,34.7 24.01,35 24,35.3 23.97,35.6 23.92,35.89 23.85,36.19 23.75,36.47 23.63,36.75 23.49,37.02 23.33,37.27 23.16,37.52 22.96,37.75 22.75,37.97 22.52,38.17 22.28,38.35 22.03,38.51 21.76,38.66 21.48,38.78 21.2,38.88 20.9,38.96 20.61,39.02 20.3,39.06 20,39.07 19.7,39.07 19.39,39.04 19.09,38.98 18.8,38.91 18.51,38.81 18.22,38.69 17.95,38.55 17.69,38.39 17.44,38.21 17.21,38.01 16.99,37.79 16.79,37.56 16.6,37.32 16.43,37.06 16.29,36.79 16.16,36.51 16.06,36.22 15.97,35.92 15.91,35.62 15.88,35.31 15.86,35 15.87,34.69 15.9,34.38 15.96,34.08 16.03,33.78 16.13,33.48 16.26,33.2 16.4,32.92 16.56,32.66 16.74,32.4 16.95,32.17 17.16,31.94 17.4,31.74 17.65,31.55 17.91,31.38 18.19,31.23 18.47,31.1 18.77,31 19.07,30.91 19.37,30.85 19.69,30.81 20,30.8 20.3,30.81 20.6,30.84 20.89,30.89 21.19,30.96 21.47,31.05 21.75,31.16 22.02,31.3 22.28,31.45 22.53,31.62 22.77,31.8 22.99,32.01 23.2,32.23 23.39,32.46 23.57,32.71 23.72,32.97 23.86,33.24 23.98,33.52 24.08,33.8 24.16,34.1 24.21,34.39 24.25,34.7 24.26,35 24.25,35.3 24.22,35.61 24.17,35.91 24.1,36.2 24.01,36.49 23.89,36.78 23.76,37.05 23.6,37.32 23.43,37.57 23.24,37.81 23.04,38.04 22.81,38.25 22.58,38.44 22.33,38.62 22.06,38.78 21.79,38.92 21.51,39.04 21.22,39.14 20.92,39.22 20.61,39.28 20.31,39.31 20,39.32 19.69,39.32 19.38,39.29 19.08,39.23 18.78,39.16 18.48,39.07 18.2,38.95 17.92,38.81 17.65,38.66 17.39,38.48 17.15,38.29 16.92,38.08 16.71,37.85 16.51,37.61 16.33,37.36 16.17,37.09 16.02,36.82 15.9,36.53 15.8,36.23 15.72,35.93 15.66,35.62 15.63,35.31 15.61,35 15.62,34.69 15.65,34.37 15.7,34.07 15.78,33.76 15.88,33.46 15.99,33.17 16.13,32.89 16.29,32.62 16.47,32.36 16.66,32.11 16.88,31.88 17.1,31.66 17.35,31.46 17.61,31.28 17.88,31.11 18.16,30.97 18.45,30.84 18.75,30.74 19.06,30.66 19.37,30.6 19.68,30.56 20,30.55 21.45,30.55 ; 20.41,18.98 20.36,18.96 20,18.6 20,18.55 20.21,18.56 20.41,18.6 20.61,18.67 20.8,18.76 20.97,18.88 21.12,19.03 21.25,19.19 21.36,19.38 21.44,19.58 21.49,19.79 21.51,20 21.5,20.22 21.46,20.43 21.39,20.64 21.29,20.83 21.16,21.01 21.01,21.17 20.84,21.31 20.65,21.42 20.44,21.5 20.22,21.55 20,21.57 19.78,21.56 19.55,21.52 19.34,21.45 19.14,21.34 18.95,21.21 18.78,21.05 18.64,20.87 18.53,20.67 18.44,20.46 18.38,20.23 18.36,20 18.37,19.77 18.42,19.54 18.49,19.31 18.6,19.1 18.74,18.91 18.91,18.74 19.09,18.59 19.3,18.47 19.52,18.38 19.76,18.32 20,18.3 20.22,18.31 20.44,18.35 20.66,18.41 20.86,18.51 21.05,18.63 21.22,18.78 21.38,18.94 21.51,19.13 21.61,19.33 21.69,19.55 21.74,19.77 21.76,20 21.75,20.23 21.71,20.46 21.64,20.68 21.54,20.89 21.42,21.09 21.27,21.27 21.1,21.43 20.9,21.56 20.69,21.67 20.47,21.75 20.24,21.8 20,21.82 19.76,21.81 19.52,21.77 19.3,21.7 19.08,21.6 18.87,21.47 18.69,21.31 18.52,21.13 18.38,20.93 18.27,20.72 18.19,20.49 18.13,20.25 18.11,20 18.12,19.75 18.17,19.51 18.24,19.27 18.35,19.05 18.48,18.84 18.64,18.64 18.83,18.47 19.04,18.33 19.26,18.21 19.5,18.13 19.75,18.07 20,18.05 20.24,18.06 20.47,18.1 20.7,18.16 20.92,18.26 21.12,18.38 21.31,18.52 21.48,18.68 21.64,18.87 21.76,19.07 21.87,19.29 21.94,19.52 21.99,19.76 22.01,20 22,20.24 21.96,20.48 21.9,20.72 21.8,20.94 21.68,21.16 21.53,21.35 21.36,21.53 21.17,21.69 20.96,21.82 20.73,21.93 20.49,22.01 20.25,22.06 20,22.07 19.75,22.06 19.5,22.02 19.26,21.95 19.03,21.85 18.81,21.73 18.6,21.57 18.42,21.4 18.26,21.2 18.12,20.98 18.01,20.75 17.93,20.51 17.88,20.26 17.86,20 17.87,19.74 17.92,19.49 17.99,19.24 18.09,19 18.22,18.77 18.38,18.56 18.56,18.37 18.76,18.21 18.99,18.07 19.22,17.96 19.48,17.87 19.74,17.82 20,17.8 20.25,17.81 20.49,17.85 20.73,17.91 20.96,18 21.18,18.12 21.39,18.26 21.58,18.42 21.75,18.61 21.9,18.81 22.02,19.03 22.12,19.26 22.2,19.5 22.24,19.75 22.26,20 22.25,20.25 22.21,20.51 22.15,20.75 22.05,20.99 21.93,21.22 21.79,21.43 21.62,21.62 21.43,21.8 21.23,21.95 21,22.08 20.76,22.18 20.52,22.26 20.26,22.31 20,22.32 19.74,22.31 19.48,22.28 19.23,22.21 18.98,22.11 18.75,21.99 18.53,21.84 18.33,21.67 18.15,21.47 18,21.26 17.87,21.03 17.76,20.78 17.68,20.53 17.63,20.27 17.61,20 17.62,19.73 17.66,19.47 17.73,19.21 17.83,18.96 17.96,18.72 18.11,18.49 18.29,18.29 18.49,18.11 18.71,17.94 18.94,17.81 19.2,17.7 19.46,17.62 19.73,17.57 20,17.55 20.26,17.56 20.51,17.6 20.76,17.66 21,17.75 21.24,17.86 21.45,18 21.66,18.16 21.85,18.34 22.01,18.54 22.16,18.75 22.28,18.98 22.38,19.23 22.45,19.48 22.49,19.74 22.51,20 22.5,20.26 22.47,20.52 22.4,20.78 22.31,21.03 22.19,21.27 22.05,21.49 21.89,21.7 21.7,21.89 21.5,22.06 21.28,22.21 21.04,22.34 20.79,22.44 20.53,22.51 20.27,22.56 20,22.57 19.73,22.57 19.46,22.53 19.2,22.46 18.95,22.37 18.7,22.25 18.47,22.1 18.26,21.94 18.06,21.75 17.89,21.54 17.73,21.31 17.61,21.07 17.5,20.81 17.43,20.55 17.38,20.28 17.36,20 17.37,19.72 17.41,19.45 17.48,19.18 17.58,18.92 17.7,18.67 17.85,18.44 18.02,18.22 18.21,18.02 18.43,17.84 18.66,17.68 18.91,17.55 19.17,17.44 19.44,17.37 19.72,17.32 20,17.3 20.27,17.31 20.53,17.34 20.79,17.41 21.04,17.49 21.28,17.6 21.51,17.74 21.73,17.89 21.93,18.07 22.11,18.26 22.28,18.48 22.42,18.71 22.54,18.95 22.63,19.2 22.7,19.46 22.75,19.73 22.76,20 22.75,20.27 22.72,20.54 22.65,20.81 22.57,21.06 22.45,21.31 22.32,21.55 22.16,21.77 21.98,21.98 21.77,22.16 21.56,22.33 21.32,22.47 21.08,22.6 20.82,22.69 20.55,22.76 20.28,22.81 20,22.82 19.72,22.82 19.45,22.78 19.18,22.71 18.91,22.62 18.66,22.51 18.42,22.37 18.19,22.2 17.98,22.02 17.79,21.81 17.62,21.59 17.47,21.35 17.35,21.1 17.25,20.83 17.18,20.56 17.13,20.28 17.11,20 17.12,19.72 17.16,19.44 17.23,19.16 17.32,18.89 17.44,18.63 17.58,18.38 17.75,18.15 17.94,17.94 18.15,17.74 18.37,17.57 18.62,17.42 18.88,17.29 19.15,17.19 19.43,17.11 19.71,17.07 20,17.05 20.27,17.06 20.54,17.09 20.81,17.15 21.07,17.24 